# Altium PCB PCB1.PcbDoc (part 2 of 5) (continued)
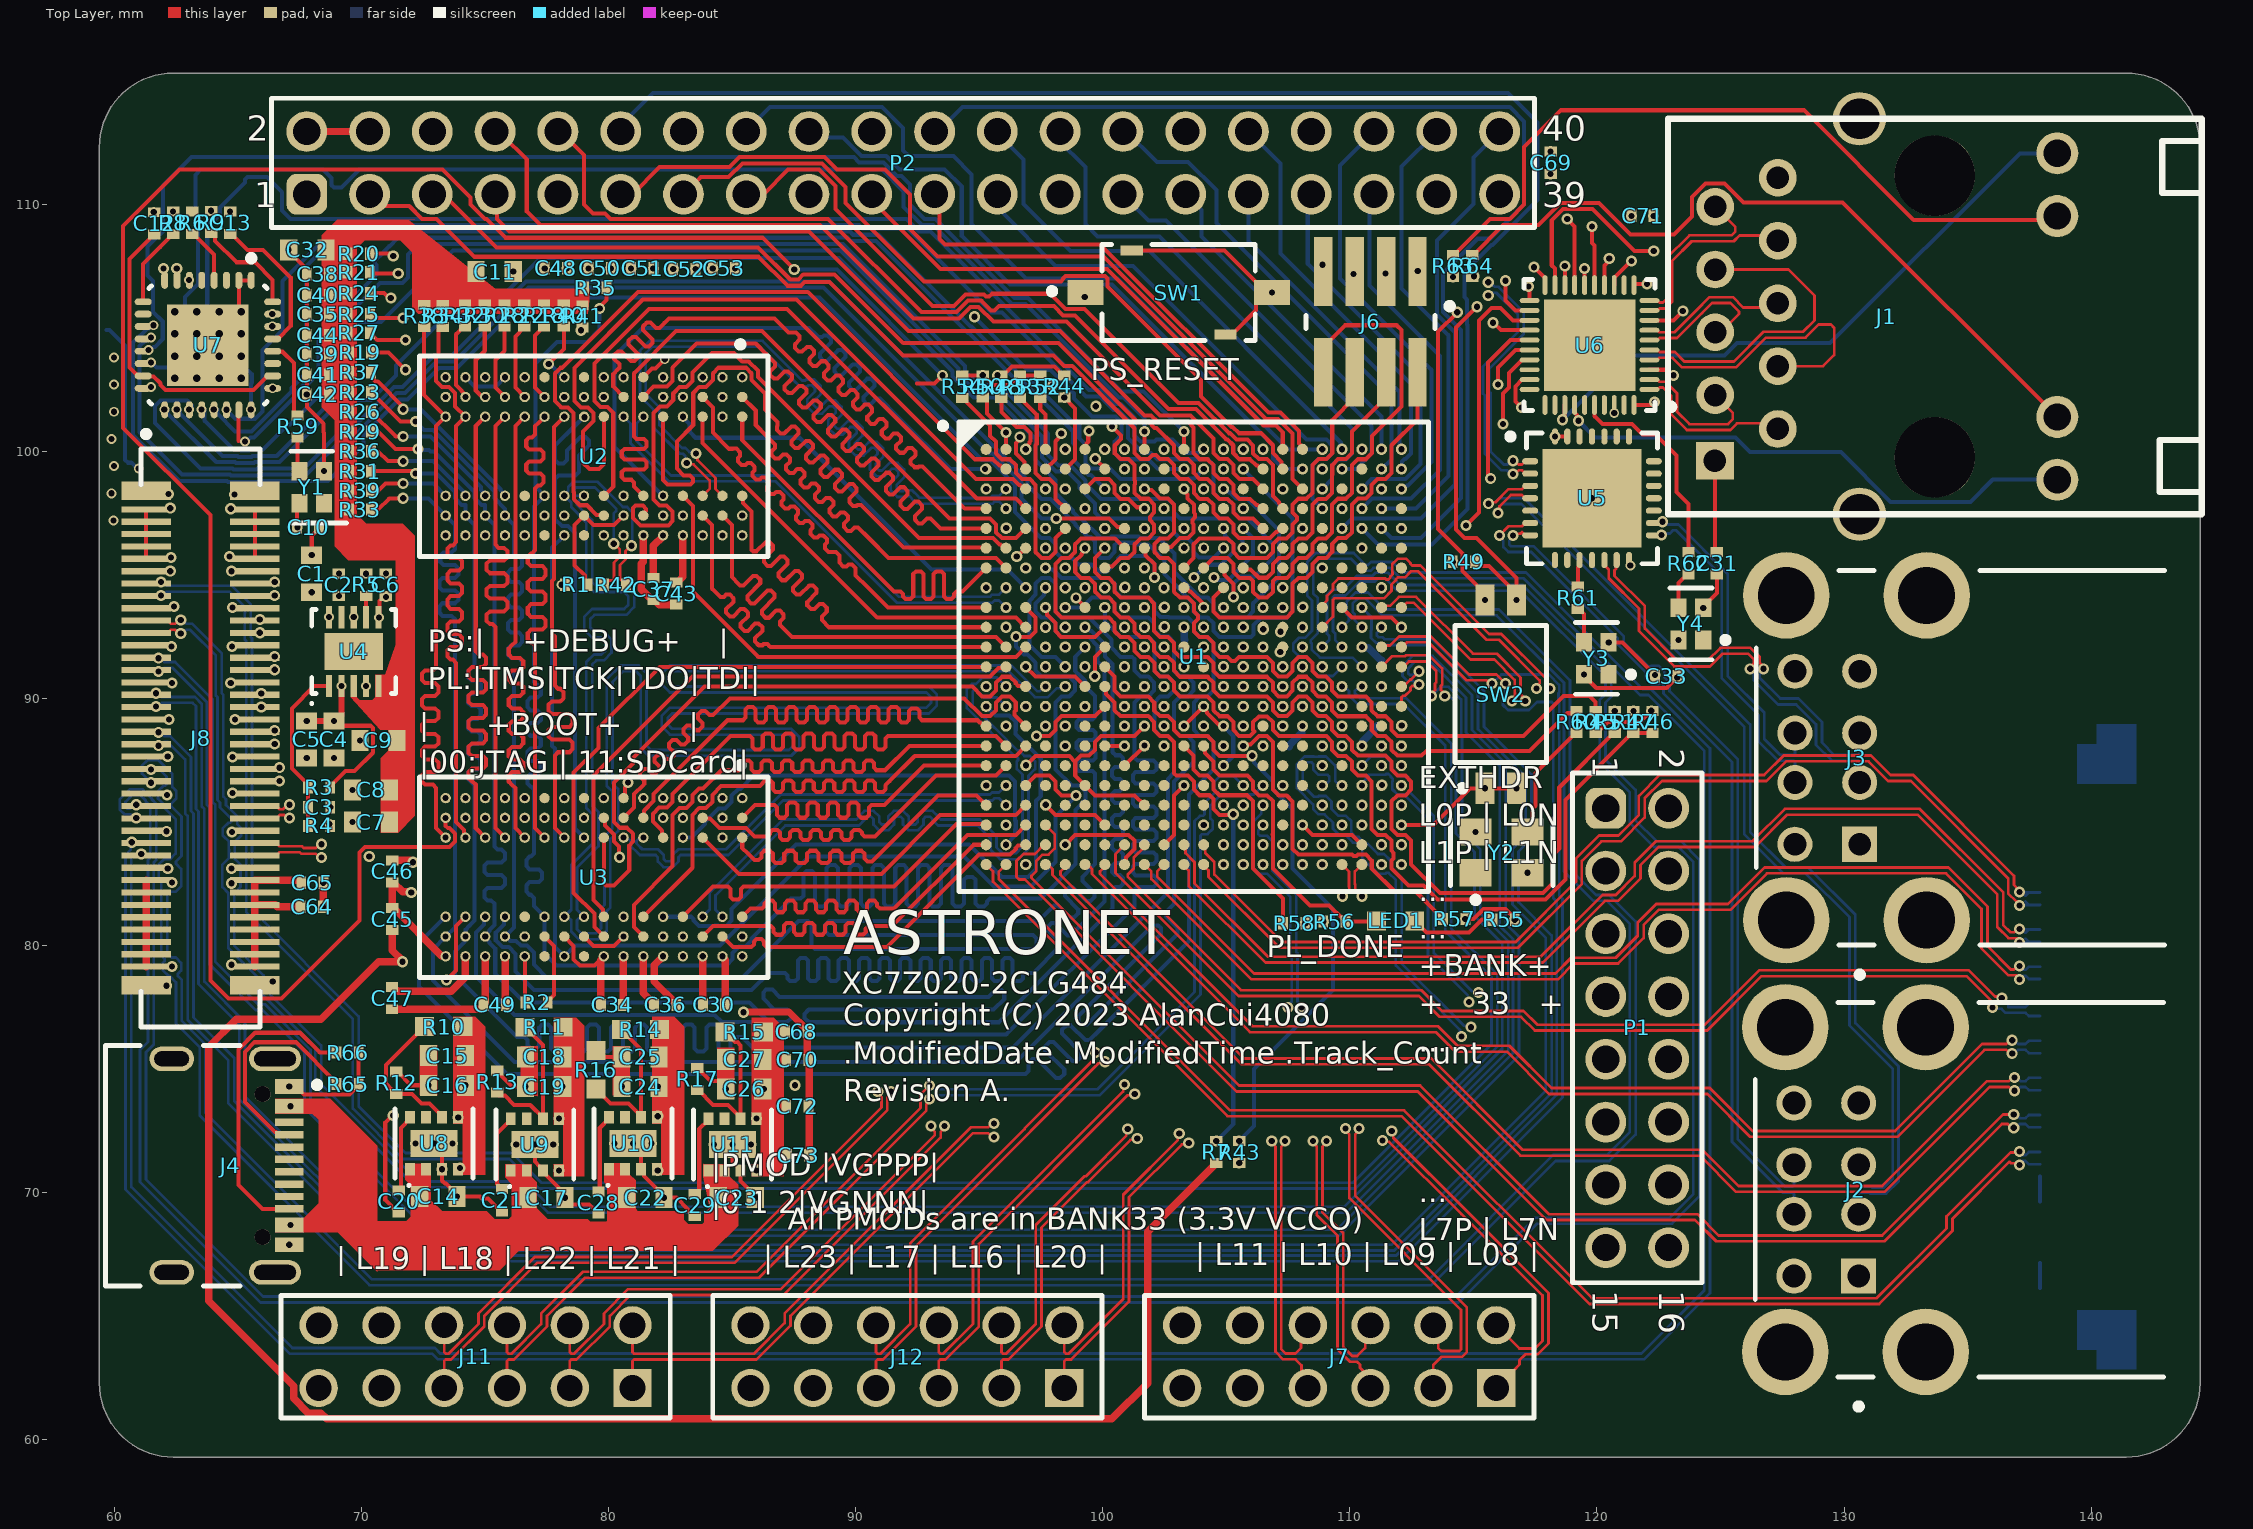
[diagram p0: Top Layer view]
## Nets (pads, with @x,y where several pads share a name; then routed paths per layer and width w, separated by ;. In a path a pad name is that pad's centre, name@x,y a point inside that pad or via, vN(x,y) a via of type N, cw(c..) or ccw(c..) an arc to the next point about the centre after c; other vN are vias at no path point) (continued)
BTB_34_L24_P: U1.P16
  other v1: 107.288,89.681
DDR_A0: R25.2 U1.M4 U2.N3 U3.N3 | length 83.9
  Top Layer w0.164: R25.2@70.35,105.554 70.35,105.518 70.468,105.4 v1(71.7,105.4) ; v2(75.818,84.369) 75.436,84.751 75.436,92.801 75.436,92.883 75.308,93.012 75.207,93.012 75.079,93.14 75.079,93.397 75.207,93.526 75.786,93.526 75.915,93.654 75.915,93.911 75.786,94.04 75.207,94.04 75.079,94.168 75.079,94.425 75.207,94.553 75.786,94.553 75.915,94.682 75.915,94.939 75.786,95.067 75.207,95.067 75.079,95.196 75.079,95.453 75.207,95.581 75.786,95.581 75.915,95.71 75.915,95.967 75.786,96.095 75.565,96.095 75.436,96.223 75.436,96.655 75.436,101.018 v2(75.818,101.4)
  Layer 4 w0.13: v2(75.818,84.369) 75.818,83.182 76.9,82.1 86.3,82.1 87.31,83.11 87.521,83.321 87.521,84.2 87.666,84.345 87.956,84.345 88.101,84.2 88.101,82.484 88.246,82.339 88.536,82.339 88.681,82.484 88.681,84.2 88.826,84.345 89.117,84.345 89.262,84.2 89.262,82.484 89.407,82.339 89.697,82.339 89.842,82.484 89.842,84.2 89.987,84.345 90.277,84.345 90.422,84.2 90.422,82.484 90.567,82.339 90.858,82.339 91.003,82.484 91.003,84.2 91.148,84.345 91.438,84.345 91.583,84.2 91.583,82.484 91.728,82.339 92.018,82.339 92.163,82.484 92.163,84.2 92.308,84.345 92.599,84.345 92.744,84.2 92.744,82.484 92.889,82.339 93.179,82.339 93.324,82.484 93.324,84.117 93.469,84.262 93.759,84.262 93.904,84.117 93.904,83.155 94.05,83.01 94.34,83.01 94.485,83.155 94.63,83.3 94.8,83.3 95.737,84.237 96.001,84.501 96.245,84.501 97.32,85.575 97.32,85.857 98.33,86.867 98.435,86.867 100.109,88.541 100.109,90.032 100.067,90.074 100.067,91.049 99.454,91.661 99.131,91.661 98.888,91.419 98.888,91.144 98.645,90.901 98.117,90.901 97.737,91.281 v1(97.688,91.281)
  SIG_PWR w0.164: v1(71.7,105.4) 73.79,103.31 73.79,102.902 74.092,102.6 74.344,102.6 74.59,102.354 74.59,102.102 74.864,101.828 75.305,101.828 75.559,101.574 75.58,101.574 75.754,101.4 v2(75.818,101.4)
DDR_A1: R26.2 U1.M5 U2.P7 U3.P7 | length 88.2
  Top Layer w0.164: R26.2@70.4,101.6 71.4,100.6 v1(71.7,100.6)
  SIG_PWR w0.13: v2(75.018,81.169) 74.663,81.524 74.663,81.794 74.663,81.859 74.543,81.979 74.533,81.979 74.413,82.1 74.413,82.34 74.533,82.46 74.793,82.46 74.913,82.58 74.913,82.82 74.793,82.94 74.533,82.94 74.413,83.06 74.413,83.3 74.533,83.42 74.543,83.42 74.663,83.541 74.663,83.9 74.663,97.845 v2(75.018,98.2)
  Bottom Layer w0.164: v1(71.7,100.6) 72.801,100.6 74.844,98.557 74.844,98.438 75.018,98.264 v2(75.018,98.2) ; v2(75.018,81.169) 74.973,81.124 74.973,80.85 74.646,80.523 74.646,78.754 76.2,77.2 84.302,77.2 84.594,76.908 85.792,76.908 86.3,76.4 96.1,76.4 101.291,81.591 101.291,81.72 101.291,82.265 101.407,82.381 102.062,82.381 102.178,82.497 102.178,82.729 102.062,82.845 101.338,82.845 101.222,82.961 101.222,83.192 101.338,83.308 102.062,83.308 102.178,83.424 102.178,83.656 102.062,83.772 101.338,83.772 101.222,83.888 101.222,84.12 101.338,84.236 102.062,84.236 102.178,84.352 102.178,84.584 102.062,84.7 101.338,84.7 101.222,84.816 101.222,85.048 101.338,85.164 102.062,85.164 102.178,85.28 102.178,85.512 102.062,85.628 101.338,85.628 101.222,85.744 101.222,85.976 101.338,86.092 102.062,86.092 102.178,86.208 102.178,86.439 102.062,86.555 101.338,86.555 101.222,86.671 101.222,86.903 101.338,87.019 102.062,87.019 102.178,87.135 102.178,87.367 102.062,87.483 101.407,87.483 101.291,87.599 101.291,87.681 101.291,89.846 101.527,90.081 101.849,90.081 102.085,90.317 102.085,90.646 101.846,90.884 101.524,90.884 101.285,91.123 101.285,91.588 101.189,91.684 100.724,91.684 100.354,92.054 100.354,92.377 99.446,93.284 98.324,93.284 98.088,93.52 98.088,94.643 97.852,94.878 97.524,94.878 97.291,94.646 97.291,94.205 97.037,93.951 97.037,92.171 97.53,91.678 98.091,91.678 v1(98.488,91.281)
DDR_A2: R27.2 U1.K4 U2.P3 U3.P3 | length 82.1
  Top Layer w0.164: R27.2@70.35,104.8 70.35,104.75 70.468,104.632 70.518,104.632 70.65,104.5 v1(71.8,104.5) ; v2(75.018,84.369) 74.636,84.751 74.636,86.434 74.636,86.516 74.508,86.645 74.476,86.645 74.347,86.773 74.347,87.03 74.476,87.158 74.924,87.158 75.053,87.287 75.053,87.544 74.924,87.672 74.476,87.672 74.347,87.801 74.347,88.058 74.476,88.186 74.924,88.186 75.053,88.315 75.053,88.572 74.924,88.7 74.476,88.7 74.347,88.828 74.347,89.085 74.476,89.214 74.924,89.214 75.053,89.342 75.053,89.599 74.924,89.728 74.476,89.728 74.347,89.856 74.347,90.113 74.476,90.242 74.924,90.242 75.053,90.37 75.053,90.627 74.924,90.755 74.476,90.755 74.347,90.884 74.347,91.141 74.476,91.269 74.924,91.269 75.053,91.398 75.053,91.655 74.924,91.783 74.765,91.783 74.636,91.912 74.636,92.032 74.636,101.018 v2(75.018,101.4)
  Layer 4 w0.13: v2(75.018,84.369) 75.018,82.736 76.992,80.763 77.3,80.763 77.419,80.763 77.992,80.19 78.246,80.19 78.819,80.763 79.073,80.763 79.646,80.19 79.9,80.19 80.472,80.763 80.726,80.763 80.991,80.499 81.245,80.499 81.509,80.763 81.763,80.763 81.828,80.697 82.082,80.697 82.148,80.763 82.503,80.763 82.588,80.678 82.842,80.678 82.928,80.763 83.283,80.763 83.856,80.19 84.11,80.19 84.683,80.763 84.937,80.763 85.01,80.689 85.264,80.689 85.338,80.763 85.759,80.763 85.922,80.6 94.464,80.6 94.882,81.018 94.928,81.064 95.521,81.064 95.701,81.244 95.701,81.837 95.88,82.016 96.473,82.016 96.653,82.196 96.653,82.789 96.732,82.868 97.068,82.868 97.36,83.159 97.36,83.495 97.453,83.589 97.613,83.589 97.761,83.441 97.92,83.441 98.08,83.6 98.08,83.759 97.49,84.349 97.49,84.508 97.65,84.667 97.809,84.667 98.093,84.383 98.252,84.383 98.411,84.542 98.411,84.701 98.127,84.985 98.127,85.145 98.286,85.304 98.446,85.304 99.035,84.715 99.194,84.715 99.353,84.874 99.353,85.033 98.963,85.423 98.963,85.582 99.123,85.742 99.282,85.742 99.672,85.351 99.831,85.351 99.99,85.511 99.99,85.67 99.401,86.259 99.401,86.418 99.56,86.578 99.719,86.578 100.309,85.988 100.468,85.988 100.627,86.148 100.627,86.307 100.038,86.896 100.038,87.055 100.197,87.215 100.356,87.215 100.946,86.625 101.105,86.625 101.264,86.784 101.264,86.944 101.115,87.092 101.115,87.251 101.268,87.404 101.268,88.306 101.268,89.839 101.026,90.081 100.75,90.081 100.508,90.324 100.508,90.639 100.75,90.881 101.026,90.881 101.268,91.124 101.268,91.439 101.026,91.681 100.75,91.681 100.088,92.344 100.088,92.619 99.445,93.261 99.131,93.261 98.966,93.096 98.959,93.096 98.868,93.005 98.868,92.724 98.645,92.501 98.068,92.501 v1(97.688,92.881)
  SIG_PWR w0.164: v1(71.8,104.5) 71.83,104.47 71.83,104.062 73.264,102.628 73.516,102.628 73.845,102.299 73.845,102.047 74.118,101.774 74.559,101.774 74.759,101.574 74.78,101.574 74.954,101.4 v2(75.018,101.4)
DDR_A3: R28.2 U1.L4 U2.N2 U3.N2 | length 76.1
  Top Layer w0.164: R28.2@75.8,105.05 75.8,104.069 75.436,103.705 75.436,102.582 v2(75.818,102.2)
  Layer 4 w0.13: v2(75.818,102.2) 75.463,101.845 75.463,91.48 75.463,90.321 75.583,90.201 75.703,90.081 75.703,89.841 75.583,89.721 75.406,89.721 75.286,89.601 75.286,89.361 75.406,89.24 75.588,89.24 75.708,89.12 75.708,88.88 75.588,88.76 75.328,88.76 75.208,88.64 75.208,88.4 75.328,88.28 75.588,88.28 75.708,88.16 75.708,87.919 75.588,87.799 75.328,87.799 75.208,87.679 75.208,87.439 75.328,87.319 75.343,87.319 75.463,87.199 75.463,87.134 75.463,85.524 v2(75.818,85.169) 75.463,84.814 75.463,82.837 76.674,81.626 77.2,81.626 77.445,81.626 77.593,81.478 77.847,81.478 77.995,81.626 78.249,81.626 78.402,81.473 78.656,81.473 78.809,81.626 79.063,81.626 79.609,81.08 79.863,81.08 80.409,81.626 80.663,81.626 81.209,81.08 81.463,81.08 82.009,81.626 82.263,81.626 82.801,81.088 83.055,81.088 83.593,81.626 83.847,81.626 83.996,81.476 84.25,81.476 84.4,81.626 84.654,81.626 84.818,81.463 85.072,81.463 85.235,81.626 85.3,81.626 85.816,81.626 85.928,81.513 85.928,81.096 86.041,80.983 86.266,80.983 86.378,81.096 86.378,81.705 86.491,81.818 86.716,81.818 86.829,81.705 86.829,81.096 86.941,80.983 87.167,80.983 87.279,81.096 87.279,81.705 87.392,81.818 87.617,81.818 87.73,81.705 87.73,81.096 87.842,80.983 88.067,80.983 88.18,81.096 88.18,81.705 88.292,81.818 88.518,81.818 88.63,81.705 88.63,81.096 88.743,80.983 88.968,80.983 89.081,81.096 89.081,81.705 89.193,81.818 89.418,81.818 89.531,81.705 89.531,81.096 89.644,80.983 89.869,80.983 89.981,81.096 89.981,81.705 90.094,81.818 90.319,81.818 90.432,81.705 90.432,81.096 90.544,80.983 90.769,80.983 90.882,81.096 90.882,81.705 90.995,81.818 91.22,81.818 91.332,81.705 91.332,81.096 91.445,80.983 91.67,80.983 91.783,81.096 91.783,81.705 91.895,81.818 92.12,81.818 92.233,81.705 92.233,81.096 92.346,80.983 92.571,80.983 92.683,81.096 92.683,81.705 92.796,81.818 93.021,81.818 93.134,81.705 93.134,81.096 93.246,80.983 93.471,80.983 93.584,81.096 93.584,81.705 93.697,81.818 93.922,81.818 94.034,81.705 94.034,81.096 94.147,80.983 94.372,80.983 94.485,81.096 94.485,81.513 94.597,81.626 94.726,81.626 94.927,81.827 94.927,82.127 96.88,84.08 96.88,84.342 98.08,85.543 98.08,85.774 98.759,86.453 98.953,86.453 100.329,87.829 100.329,90.191 100.287,90.233 100.287,91.619 99.445,92.461 99.131,92.461 98.888,92.219 98.888,91.944 98.645,91.701 98.068,91.701 v1(97.688,92.081)
DDR_A4: R29.2 U1.K6 U2.P8 U3.P8 | length 91.4
  Top Layer w0.164: R29.2@70.4,100.8 70.682,100.8 71.382,100.1 v1(72.3,100.1)
  Bottom Layer w0.164: v1(72.3,100.1) 72.338,100.062 72.738,100.062 72.8,100 72.944,100 74.59,98.354 74.59,98.102 74.864,97.828 75.018,97.828 v2(75.018,97.4) 75.39,97.028 75.39,84.478 75.39,84.01 75.518,83.881 75.683,83.881 75.811,83.753 75.811,83.496 75.683,83.367 75.118,83.367 74.989,83.239 74.989,82.982 75.118,82.854 75.683,82.854 75.811,82.725 75.811,82.468 75.683,82.34 75.118,82.34 74.989,82.211 74.989,81.954 75.118,81.826 75.261,81.826 75.39,81.697 75.39,81.615 75.39,80.826 75.192,80.628 75.192,80.583 75.018,80.409 v2(75.018,80.369) 75.018,80.324 75.192,80.15 75.192,80.11 75.424,79.878 75.424,78.876 76.6,77.7 85.7,77.7 85.725,77.675 85.91,77.49 86.037,77.363 86.5,76.9 87.236,76.9 87.416,77.08 87.416,77.234 87.236,77.414 86.713,77.414 86.273,77.853 86.273,78.108 86.382,78.217 86.637,78.217 86.926,77.928 95.374,77.928 95.656,78.21 95.911,78.21 96.02,78.101 96.02,77.846 95.587,77.414 88.109,77.414 87.929,77.234 87.929,77.08 88.109,76.9 95.8,76.9 96.815,77.915 97,78.1 100.403,81.503 100.403,81.694 100.403,82.26 100.524,82.381 100.7,82.381 100.821,82.502 100.821,82.744 100.7,82.865 100.502,82.865 100.382,82.986 100.382,83.227 100.502,83.348 100.7,83.348 100.821,83.469 100.821,83.711 100.7,83.832 100.502,83.832 100.382,83.953 100.382,84.195 100.502,84.316 100.7,84.316 100.821,84.437 100.821,84.679 100.7,84.8 100.502,84.8 100.382,84.921 100.382,85.163 100.502,85.284 100.7,85.284 100.821,85.405 100.821,85.647 100.7,85.768 100.502,85.768 100.382,85.889 100.382,86.131 100.502,86.252 100.7,86.252 100.821,86.372 100.821,86.614 100.7,86.735 100.502,86.735 100.382,86.856 100.382,87.098 100.502,87.219 100.7,87.219 100.821,87.34 100.821,87.582 100.7,87.703 100.524,87.703 100.403,87.824 100.403,88.692 100.403,91.397 100.1,91.7 100.1,92.19 99.554,92.735 99.512,92.735 99.365,92.881 v1(99.288,92.881)
DDR_A5: R30.2 U1.K5 U2.P2 U3.P2 | length 76.1
  Top Layer w0.164: U2.P2@74.959,102.141 74.636,102.464 74.636,103.705 75,104.069 R30.2@75,105.05
  Layer 4 w0.13: v2(75.018,102.2) 74.663,101.845 74.663,96.1 74.663,94.968 74.543,94.848 74.423,94.728 74.423,94.487 74.543,94.367 74.712,94.367 74.832,94.247 74.832,94.007 74.712,93.887 74.533,93.887 74.413,93.767 74.413,93.527 74.533,93.407 74.793,93.407 74.913,93.287 74.913,93.046 74.793,92.926 74.533,92.926 74.413,92.806 74.413,92.566 74.533,92.446 74.793,92.446 74.913,92.326 74.913,92.086 74.793,91.966 74.533,91.966 74.413,91.846 74.413,91.605 74.533,91.485 74.543,91.485 74.663,91.365 74.663,91.3 74.663,85.524 v2(75.018,85.169) 74.663,84.814 74.663,82.026 75.373,81.316 75.373,81.112 75.671,80.814 75.875,80.814 76.173,80.516 76.173,80.312 76.555,79.93 85.759,79.93 85.934,79.93 86.047,80.042 86.047,80.251 86.159,80.363 86.385,80.363 86.497,80.251 86.497,79.857 86.61,79.745 86.835,79.745 86.948,79.857 86.948,80.251 87.06,80.363 87.285,80.363 87.398,80.251 87.398,79.857 87.511,79.745 87.736,79.745 87.848,79.857 87.848,80.251 87.961,80.363 88.186,80.363 88.299,80.251 88.299,79.857 88.411,79.745 88.636,79.745 88.749,79.857 88.749,80.251 88.862,80.363 89.087,80.363 89.199,80.251 89.199,79.857 89.312,79.745 89.537,79.745 89.65,79.857 89.65,80.251 89.762,80.363 89.987,80.363 90.1,80.251 90.1,79.857 90.213,79.745 90.438,79.745 90.55,79.857 90.55,80.251 90.663,80.363 90.888,80.363 91.001,80.251 91.001,79.857 91.113,79.745 91.339,79.745 91.451,79.857 91.451,80.251 91.564,80.363 91.789,80.363 91.901,80.251 91.901,79.857 92.014,79.745 92.239,79.745 92.352,79.857 92.352,80.251 92.464,80.363 92.69,80.363 92.802,80.251 92.802,79.857 92.915,79.745 93.14,79.745 93.252,79.857 93.252,80.251 93.365,80.363 93.59,80.363 93.703,80.251 93.703,79.857 93.815,79.745 94.041,79.745 94.153,79.857 94.153,80.251 94.266,80.363 94.491,80.363 94.604,80.251 94.604,80.044 94.716,79.931 94.875,79.931 95.119,80.175 102.08,87.136 102.08,91.427 101.826,91.681 101.55,91.681 101.308,91.924 101.308,92.199 101.006,92.501 100.731,92.501 99.75,93.482 99.039,93.482 98.874,93.317 98.868,93.317 98.488,92.937 v1(98.488,92.881)
DDR_A6: R31.2 U1.J7 U2.R8 U3.R8 | length 90.1
  Top Layer w0.164: R31.2@70.4,99.2 72.1,99.2 v1(72.2,99.1)
  Bottom Layer w0.164: v1(72.2,99.1) 73.044,99.1 73.79,98.354 73.79,98.102 74.064,97.828 74.218,97.828 v2(74.218,97.4) 74.59,97.028 74.59,91.9 74.59,91.363 74.461,91.235 74.458,91.235 74.33,91.107 74.33,90.85 74.458,90.721 74.709,90.721 74.838,90.593 74.838,90.336 74.709,90.207 74.458,90.207 74.33,90.079 74.33,89.822 74.458,89.693 74.709,89.693 74.838,89.565 74.838,89.308 74.709,89.18 74.458,89.18 74.33,89.051 74.33,88.794 74.458,88.666 74.709,88.666 74.838,88.537 74.838,88.28 74.709,88.152 74.458,88.152 74.33,88.023 74.33,87.767 74.458,87.638 74.709,87.638 74.838,87.51 74.838,87.253 74.709,87.124 74.458,87.124 74.33,86.996 74.33,86.739 74.458,86.61 74.461,86.61 74.59,86.482 74.59,86.4 74.59,81.015 74.372,80.797 ; v2@74.173,80.388 74.173,80.143 73.79,79.76 73.79,78.81 76.3,76.3 76.396,76.3 76.601,76.3 76.722,76.179 76.722,75.985 76.843,75.864 77.085,75.864 77.206,75.985 77.206,76.681 77.327,76.802 77.568,76.802 77.689,76.681 77.689,75.84 77.81,75.719 78.052,75.719 78.173,75.84 78.173,76.681 78.294,76.802 78.536,76.802 78.657,76.681 78.657,75.84 78.778,75.719 79.02,75.719 79.141,75.84 79.141,76.681 79.262,76.802 79.504,76.802 79.625,76.681 79.625,75.84 79.746,75.719 79.988,75.719 80.109,75.84 80.109,76.681 80.23,76.802 80.472,76.802 80.592,76.681 80.592,75.84 80.713,75.719 80.955,75.719 81.076,75.84 81.076,76.681 81.197,76.802 81.439,76.802 81.56,76.681 81.56,75.84 81.681,75.719 81.923,75.719 82.044,75.84 82.044,76.681 82.165,76.802 82.407,76.802 82.528,76.681 82.528,75.84 82.649,75.719 82.891,75.719 83.012,75.84 83.012,76.681 83.133,76.802 83.375,76.802 83.496,76.681 83.496,75.84 83.617,75.719 83.858,75.719 83.979,75.84 83.979,76.681 84.1,76.802 84.342,76.802 84.463,76.681 84.463,75.84 84.584,75.719 84.826,75.719 84.947,75.84 84.947,76.179 85.068,76.3 85.15,76.3 85.4,76.3 85.825,75.875 96.372,75.875 102.637,82.14 102.637,86.751 102.885,86.999 102.885,88.246 102.649,88.481 102.327,88.481 102.091,88.717 102.091,89.846 102.327,90.081 102.649,90.081 102.885,90.317 102.885,90.646 102.649,90.881 102.327,90.881 102.091,91.117 102.091,92.24 101.846,92.484 100.724,92.484 100.088,93.12 v1(100.088,93.681) ; v2(74.218,80.369) 74.232,80.383 74.232,80.658 74.372,80.797
DDR_A7: R32.2 U1.J6 U2.R2 U3.R2 | length 76.1
  Top Layer w0.164: R32.2@74.2,105.05 74.15,105.05 73.836,104.736 73.836,102.681 74.054,102.463 74.054,102.434 74.218,102.269 v2(74.218,102.2) ; v1(98.919,94.072) 98.919,94.061 99.288,93.692 U1.J6@99.288,93.681
  Layer 4 w0.13: v2(74.218,102.2) 73.863,101.845 73.863,92 73.863,91.029 73.743,90.908 73.623,90.788 73.623,90.548 73.743,90.428 73.943,90.428 74.064,90.308 74.064,90.068 73.943,89.948 73.733,89.948 73.613,89.828 73.613,89.587 73.733,89.467 73.993,89.467 74.113,89.347 74.113,89.107 73.993,88.987 73.733,88.987 73.613,88.867 73.613,88.627 73.733,88.507 73.993,88.507 74.113,88.387 74.113,88.146 73.993,88.026 73.733,88.026 73.613,87.906 73.613,87.666 73.733,87.546 73.993,87.546 74.113,87.426 74.113,87.186 73.993,87.066 73.733,87.066 73.613,86.946 73.613,86.705 73.733,86.585 73.743,86.585 73.863,86.465 73.863,86.4 73.863,85.524 v2(74.218,85.169) 73.863,84.814 73.863,81.022 74.116,80.769 74.32,80.769 74.64,80.449 74.64,80.244 74.905,79.98 75.109,79.98 75.39,79.699 75.39,79.495 76.434,78.451 94.72,78.451 103.668,87.399 103.668,91.469 102.633,92.505 102.358,92.505 102.092,92.77 102.092,93.015 101.826,93.281 101.551,93.281 101.28,93.551 101.28,93.827 101,94.107 100.755,94.107 100.468,94.394 100.468,94.639 100.067,95.04 99.579,95.04 99.537,95.082 99.039,95.082 98.859,94.901 98.37,94.901 98.108,94.639 98.108,94.324 98.36,94.072 v1(98.919,94.072)
DDR_A8: R33.2 U1.J5 U2.T8 U3.T8 | length 89.8
  Top Layer w0.164: R33.2@70.4,97.646 70.682,97.646 71.136,98.1 v1(71.7,98.1)
  Bottom Layer w0.164: v1(71.7,98.1) 72.718,98.1 v2(73.418,97.4) ; v2@73.418,97.46 v2(73.418,97.4) ; v1(98.488,93.681) 98.494,93.675 99.175,93.675 99.578,94.078 100.252,94.078 100.485,93.846 100.485,93.523 100.724,93.284 101.846,93.284 102.085,93.046 102.085,92.754 102.336,92.503 102.658,92.503 102.891,92.27 102.891,91.117 103.127,90.881 103.449,90.881 103.685,90.646 103.685,90.317 103.449,90.081 103.127,90.081 102.891,89.846 102.891,88.717 103.127,88.481 103.449,88.481 103.685,88.246 103.685,87.44 102.891,86.646 102.891,81.691 102.65,81.45 102.573,81.373 102.573,81.172 102.592,81.153 103.037,80.708 103.037,80.468 99.371,76.802 99.131,76.802 99.028,76.905 99.028,77.144 102.353,80.468 102.353,80.708 102.25,80.81 102.01,80.81 96.809,75.609 96.632,75.432 96.5,75.3 76.196,75.3 72.9,78.596 72.9,79.851 v2(73.418,80.369) 73.79,80.741 73.79,93.129 73.79,93.211 73.661,93.34 73.29,93.34 73.162,93.468 73.162,93.725 73.29,93.854 73.801,93.854 73.929,93.982 73.929,94.239 73.801,94.368 73.29,94.368 73.162,94.496 73.162,94.753 73.29,94.881 73.801,94.881 73.929,95.01 73.929,95.267 73.801,95.395 73.329,95.395 73.2,95.524 73.2,95.781 73.329,95.909 73.661,95.909 73.79,96.038 73.79,96.434 73.79,97.028 v2(73.418,97.4)
DDR_A9: R34.2 U1.H5 U2.R3 U3.R3 | length 80.7
  Top Layer w0.164: R34.2@73.3,105.029 73.25,105.029 73.132,104.911 73.132,103.924 73.036,103.829 73.036,102.842 73.278,102.6 73.558,102.6 73.8,102.358 73.8,101.818 v2(74.218,101.4) 73.836,101.018 73.836,96.425 73.836,96.325 73.708,96.197 73.612,96.197 73.484,96.068 73.484,95.811 73.612,95.683 73.958,95.683 74.086,95.554 74.086,95.297 73.958,95.169 73.612,95.169 73.484,95.04 73.484,94.783 73.612,94.655 73.958,94.655 74.086,94.527 74.086,94.27 73.958,94.141 73.612,94.141 73.484,94.013 73.484,93.756 73.612,93.627 73.958,93.627 74.086,93.499 74.086,93.242 73.958,93.113 73.612,93.113 73.484,92.985 73.484,92.728 73.612,92.6 73.958,92.6 74.086,92.471 74.086,92.214 73.958,92.086 73.612,92.086 73.484,91.957 73.484,91.7 73.612,91.572 73.708,91.572 73.836,91.443 73.836,91.361 73.836,85.011 74.169,84.678 74.169,84.418 v2(74.218,84.369)
  Layer 4 w0.13: v2(74.218,84.369) 74.218,81.671 74.615,81.274 74.615,81.07 74.892,80.793 75.096,80.793 75.428,80.461 75.428,80.256 75.699,79.986 75.903,79.986 76.187,79.702 76.187,79.498 76.785,78.9 85.727,78.9 86.103,78.9 86.216,79.013 86.216,79.266 86.329,79.378 86.554,79.378 86.666,79.266 86.666,78.922 86.779,78.809 87.004,78.809 87.117,78.922 87.117,79.266 87.229,79.378 87.454,79.378 87.567,79.266 87.567,78.922 87.68,78.809 87.905,78.809 88.017,78.922 88.017,79.266 88.13,79.378 88.355,79.378 88.468,79.266 88.468,78.922 88.58,78.809 88.805,78.809 88.918,78.922 88.918,79.266 89.031,79.378 89.256,79.378 89.368,79.266 89.368,78.922 89.481,78.809 89.706,78.809 89.819,78.922 89.819,79.266 89.931,79.378 90.156,79.378 90.269,79.266 90.269,78.922 90.382,78.809 90.607,78.809 90.719,78.922 90.719,79.266 90.832,79.378 91.057,79.378 91.17,79.266 91.17,78.922 91.282,78.809 91.508,78.809 91.62,78.922 91.62,79.266 91.733,79.378 91.958,79.378 92.07,79.266 92.07,78.922 92.183,78.809 92.408,78.809 92.521,78.922 92.521,79.266 92.633,79.378 92.859,79.378 92.971,79.266 92.971,78.922 93.084,78.809 93.309,78.809 93.422,78.922 93.422,79.266 93.534,79.378 93.759,79.378 93.872,79.266 93.872,79.013 93.984,78.9 94.5,78.9 94.669,78.9 102.88,87.111 102.88,91.427 102.619,91.688 102.344,91.688 102.085,91.947 102.085,92.222 101.828,92.479 101.553,92.479 101.296,92.736 101.296,93.011 101.02,93.287 100.744,93.287 100.475,93.556 100.475,93.832 100.229,94.078 99.954,94.078 99.7,94.332 99.7,94.607 99.445,94.861 99.131,94.861 98.95,94.681 98.774,94.681 98.575,94.481 v1(98.488,94.481)
DDR_A10: R35.2 U1.J3 U2.L7 U3.L7 | length 94.5
  Top Layer w0.164: v1(79.65,105.775) 79.65,105.845 79.925,106.12 R35.2@79.925,106.615 R35.2@79.925,106.634 ; v1(96.5,92.5) 96.516,92.484 97.052,92.484 97.285,92.717 97.285,93.284 U1.J3@96.888,93.681
  Bottom Layer w0.164: v1(79.65,105.775) 79.65,104.925 79.15,104.425 77.923,104.425 77.046,103.548 77.046,98.572 v2(77.418,98.2) 76.99,97.772 76.99,90.89 76.99,90.676 77.118,90.547 77.138,90.547 77.267,90.419 77.267,90.162 77.138,90.033 76.853,90.033 76.725,89.905 76.725,89.648 76.853,89.519 77.138,89.519 77.267,89.391 77.267,89.134 77.138,89.006 76.853,89.006 76.725,88.877 76.725,88.62 76.853,88.492 77.138,88.492 77.267,88.363 77.267,88.106 77.138,87.978 76.853,87.978 76.725,87.849 76.725,87.592 76.853,87.464 77.138,87.464 77.267,87.335 77.267,87.079 77.138,86.95 76.853,86.95 76.725,86.822 76.725,86.565 76.853,86.436 76.861,86.436 76.99,86.308 76.99,86.226 76.99,83.81 76.99,83.728 76.861,83.599 76.814,83.599 76.685,83.471 76.685,83.214 76.814,83.085 77.188,83.085 77.316,82.957 77.316,82.7 77.188,82.572 76.814,82.572 76.685,82.443 76.685,82.186 76.814,82.058 76.861,82.058 76.99,81.929 76.99,81.847 76.99,81.597 v2(77.418,81.169) 77.418,79.965 77.422,79.961 77.422,79.678 77.903,79.197 84.772,79.197 85.032,79.457 85.032,79.709 85.292,79.969 85.544,79.969 85.79,80.215 85.79,80.29 87.285,81.785 87.4,81.9 87.782,81.9 87.898,82.016 87.898,82.9 88.014,83.016 88.246,83.016 88.362,82.9 88.362,81.707 88.478,81.591 88.71,81.591 88.826,81.707 88.826,83.148 88.942,83.264 89.174,83.264 89.29,83.148 89.29,81.707 89.406,81.591 89.638,81.591 89.754,81.707 89.754,83.148 89.87,83.264 90.101,83.264 90.217,83.148 90.217,81.707 90.333,81.591 90.565,81.591 90.681,81.707 90.681,83.148 90.797,83.264 91.029,83.264 91.145,83.148 91.145,81.707 91.261,81.591 91.493,81.591 91.609,81.707 91.609,83.148 91.725,83.264 91.957,83.264 92.073,83.148 92.073,81.707 92.189,81.591 92.421,81.591 92.537,81.707 92.537,83.148 92.653,83.264 92.885,83.264 93.001,83.148 93.001,81.707 93.116,81.591 93.348,81.591 93.464,81.707 93.464,83.148 93.58,83.264 93.812,83.264 93.928,83.148 93.928,81.707 94.044,81.591 94.276,81.591 94.392,81.707 94.392,82.669 94.508,82.785 94.74,82.785 94.856,82.669 94.856,81.707 94.972,81.591 95.204,81.591 95.32,81.707 95.32,81.784 95.436,81.9 95.518,81.9 97.5,81.9 98.9,83.3 98.9,85.495 99.314,85.909 99.314,86.238 99.081,86.47 98.752,86.47 98.091,87.131 98.091,89.846 98.327,90.081 98.649,90.081 98.885,90.317 98.885,90.646 98.652,90.878 97.722,90.878 97.716,90.884 97.524,90.884 97.285,91.123 97.285,91.446 96.958,91.773 96.827,91.773 96.5,92.1 v1(96.5,92.5)
DDR_A11: R36.2 U1.G5 U2.R7 U3.R7 | length 79.3
  Top Layer w0.164: R36.2@70.4,100 70.682,100 71.082,99.6 v1(71.7,99.6) ; v1(73.447,78.611) 73.835,79 73.835,80.786 v2(74.218,81.169)
  Layer 4 w0.13: v1(73.447,78.611) 74.389,78.611 75.319,77.681 85.245,77.681 85.247,77.683 85.693,77.683 85.696,77.681 95.55,77.681 104.508,86.639 104.508,87.439 104.75,87.681 105.026,87.681 105.268,87.924 105.268,91.439 105.045,91.661 104.77,91.661 104.488,91.944 104.488,92.219 104.216,92.491 103.94,92.491 103.693,92.739 103.693,93.014 103.438,93.269 103.163,93.269 102.908,93.524 102.908,94.63 101.876,95.661 100.517,95.661 100.337,95.481 99.761,95.481 99.541,95.701 99.131,95.701 98.888,95.944 98.888,96.219 98.645,96.461 97.531,96.461 97.308,96.239 97.308,95.124 97.531,94.901 98.059,94.901 98.439,95.281 v1(98.488,95.281)
  SIG_PWR w0.13: v2(74.218,81.169) 73.863,81.524 73.863,97.845 v2(74.218,98.2)
  Bottom Layer w0.164: v1(71.7,99.6) 72.903,99.6 74.218,98.285 v2(74.218,98.2) ; v2@74.173,81.124 v2(74.218,81.169)
DDR_A12: R37.2 U1.H4 U2.N7 U3.N7 | length 89
  Top Layer w0.164: R37.2@70.4,103.2 70.482,103.118 70.482,102.918 70.578,102.822 70.671,102.822 71.7,101.793 v1(71.7,101.7)
  SIG_PWR w0.13: v2(75.818,81.169) 75.463,81.524 75.463,81.8 75.463,81.865 75.804,82.207 75.804,82.461 75.463,82.802 75.463,83.056 75.775,83.369 75.775,83.623 75.463,83.935 75.463,84 75.463,97.845 v2(75.818,98.2)
  Bottom Layer w0.164: v1(71.7,101.7) 72.419,101.7 75.644,98.475 75.644,98.438 75.818,98.264 v2(75.818,98.2) ; v2(75.818,81.169) 75.773,81.124 75.773,80.85 75.446,80.523 75.446,80.215 75.72,79.941 75.972,79.941 76.246,79.667 76.246,78.954 77,78.2 85.8,78.2 86.5,78.9 86.841,78.9 87.148,78.9 87.252,78.797 87.252,78.669 87.355,78.566 87.562,78.566 87.666,78.669 87.666,79.404 87.769,79.507 87.976,79.507 88.079,79.404 88.079,78.669 88.183,78.566 88.39,78.566 88.493,78.669 88.493,79.404 88.597,79.507 88.804,79.507 88.907,79.404 88.907,78.669 89.011,78.566 89.218,78.566 89.321,78.669 89.321,79.404 89.424,79.507 89.631,79.507 89.735,79.404 89.735,78.669 89.838,78.566 90.045,78.566 90.149,78.669 90.149,79.404 90.252,79.507 90.459,79.507 90.563,79.404 90.563,78.669 90.666,78.566 90.873,78.566 90.976,78.669 90.976,79.404 91.08,79.507 91.287,79.507 91.39,79.404 91.39,78.669 91.494,78.566 91.701,78.566 91.804,78.669 91.804,79.404 91.908,79.507 92.114,79.507 92.218,79.404 92.218,78.669 92.321,78.566 92.528,78.566 92.632,78.669 92.632,79.404 92.735,79.507 92.942,79.507 93.046,79.404 93.046,78.669 93.149,78.566 93.356,78.566 93.459,78.669 93.459,79.404 93.563,79.507 93.77,79.507 93.873,79.404 93.873,78.669 93.977,78.566 94.184,78.566 94.287,78.669 94.287,79.404 94.391,79.507 94.598,79.507 94.701,79.404 94.701,78.669 94.804,78.566 95.011,78.566 95.115,78.669 95.115,79.404 95.218,79.507 95.425,79.507 95.529,79.404 95.529,78.669 95.632,78.566 95.839,78.566 95.943,78.669 95.943,79.404 96.046,79.507 96.253,79.507 96.356,79.404 96.356,78.669 96.46,78.566 96.667,78.566 96.77,78.669 96.77,78.797 96.874,78.9 96.956,78.9 97.2,78.9 98.219,79.919 98.277,79.977 98.277,80.123 97.783,80.617 97.783,80.763 97.93,80.909 98.076,80.909 98.569,80.416 98.716,80.416 98.969,80.669 100.078,81.778 100.078,91.222 99.8,91.5 99.8,92.131 99.449,92.481 98.77,92.481 98.767,92.484 98.324,92.484 98.085,92.723 98.085,93.046 97.849,93.281 97.527,93.281 97.291,93.517 97.291,93.846 97.633,94.188 97.633,94.426 v1(97.688,94.481)
DDR_A13: R38.2 U1.F4 U2.T3 U3.T3 | length 80
  Top Layer w0.164: R38.2@72.545,105.029 72.545,102.273 v2(73.418,101.4) 73.036,101.018 73.036,91.912 73.036,91.263 72.908,91.135 72.581,91.135 72.453,91.007 72.453,90.75 72.581,90.621 72.996,90.621 73.125,90.493 73.125,90.236 72.996,90.107 72.581,90.107 72.453,89.979 72.453,89.722 72.581,89.593 72.996,89.593 73.125,89.465 73.125,89.208 72.996,89.08 72.581,89.08 72.453,88.951 72.453,88.694 72.581,88.566 72.996,88.566 73.125,88.437 73.125,88.18 72.996,88.052 72.581,88.052 72.453,87.923 72.453,87.667 72.581,87.538 72.996,87.538 73.125,87.41 73.125,87.153 72.996,87.024 72.581,87.024 72.453,86.896 72.453,86.639 72.581,86.51 72.908,86.51 73.036,86.382 73.036,86.3 73.036,84.751 v2(73.418,84.369)
  Layer 4 w0.13: v2(73.418,84.369) 73.418,82.837 73.063,82.481 73.063,81.022 73.316,80.769 73.52,80.769 73.84,80.449 73.84,80.244 74.105,79.98 74.309,79.98 74.59,79.699 74.59,79.495 76.185,77.9 85.154,77.9 85.156,77.903 85.784,77.903 85.786,77.9 95,77.9 103.201,86.101 103.445,86.101 103.668,86.324 103.668,86.868 104.287,87.487 104.287,87.743 104.468,87.924 104.468,91.163 102.908,92.724 102.908,93.03 102.646,93.291 102.371,93.291 102.109,93.553 102.109,93.798 101.845,94.061 101.57,94.061 101.308,94.324 101.308,94.63 101.057,94.88 100.751,94.88 100.371,95.26 99.67,95.26 99.449,95.481 98.869,95.481 98.688,95.661 98.108,95.661 v1(97.688,96.081)